# KiCad board OLD_PCB.kicad_pcb (continued)
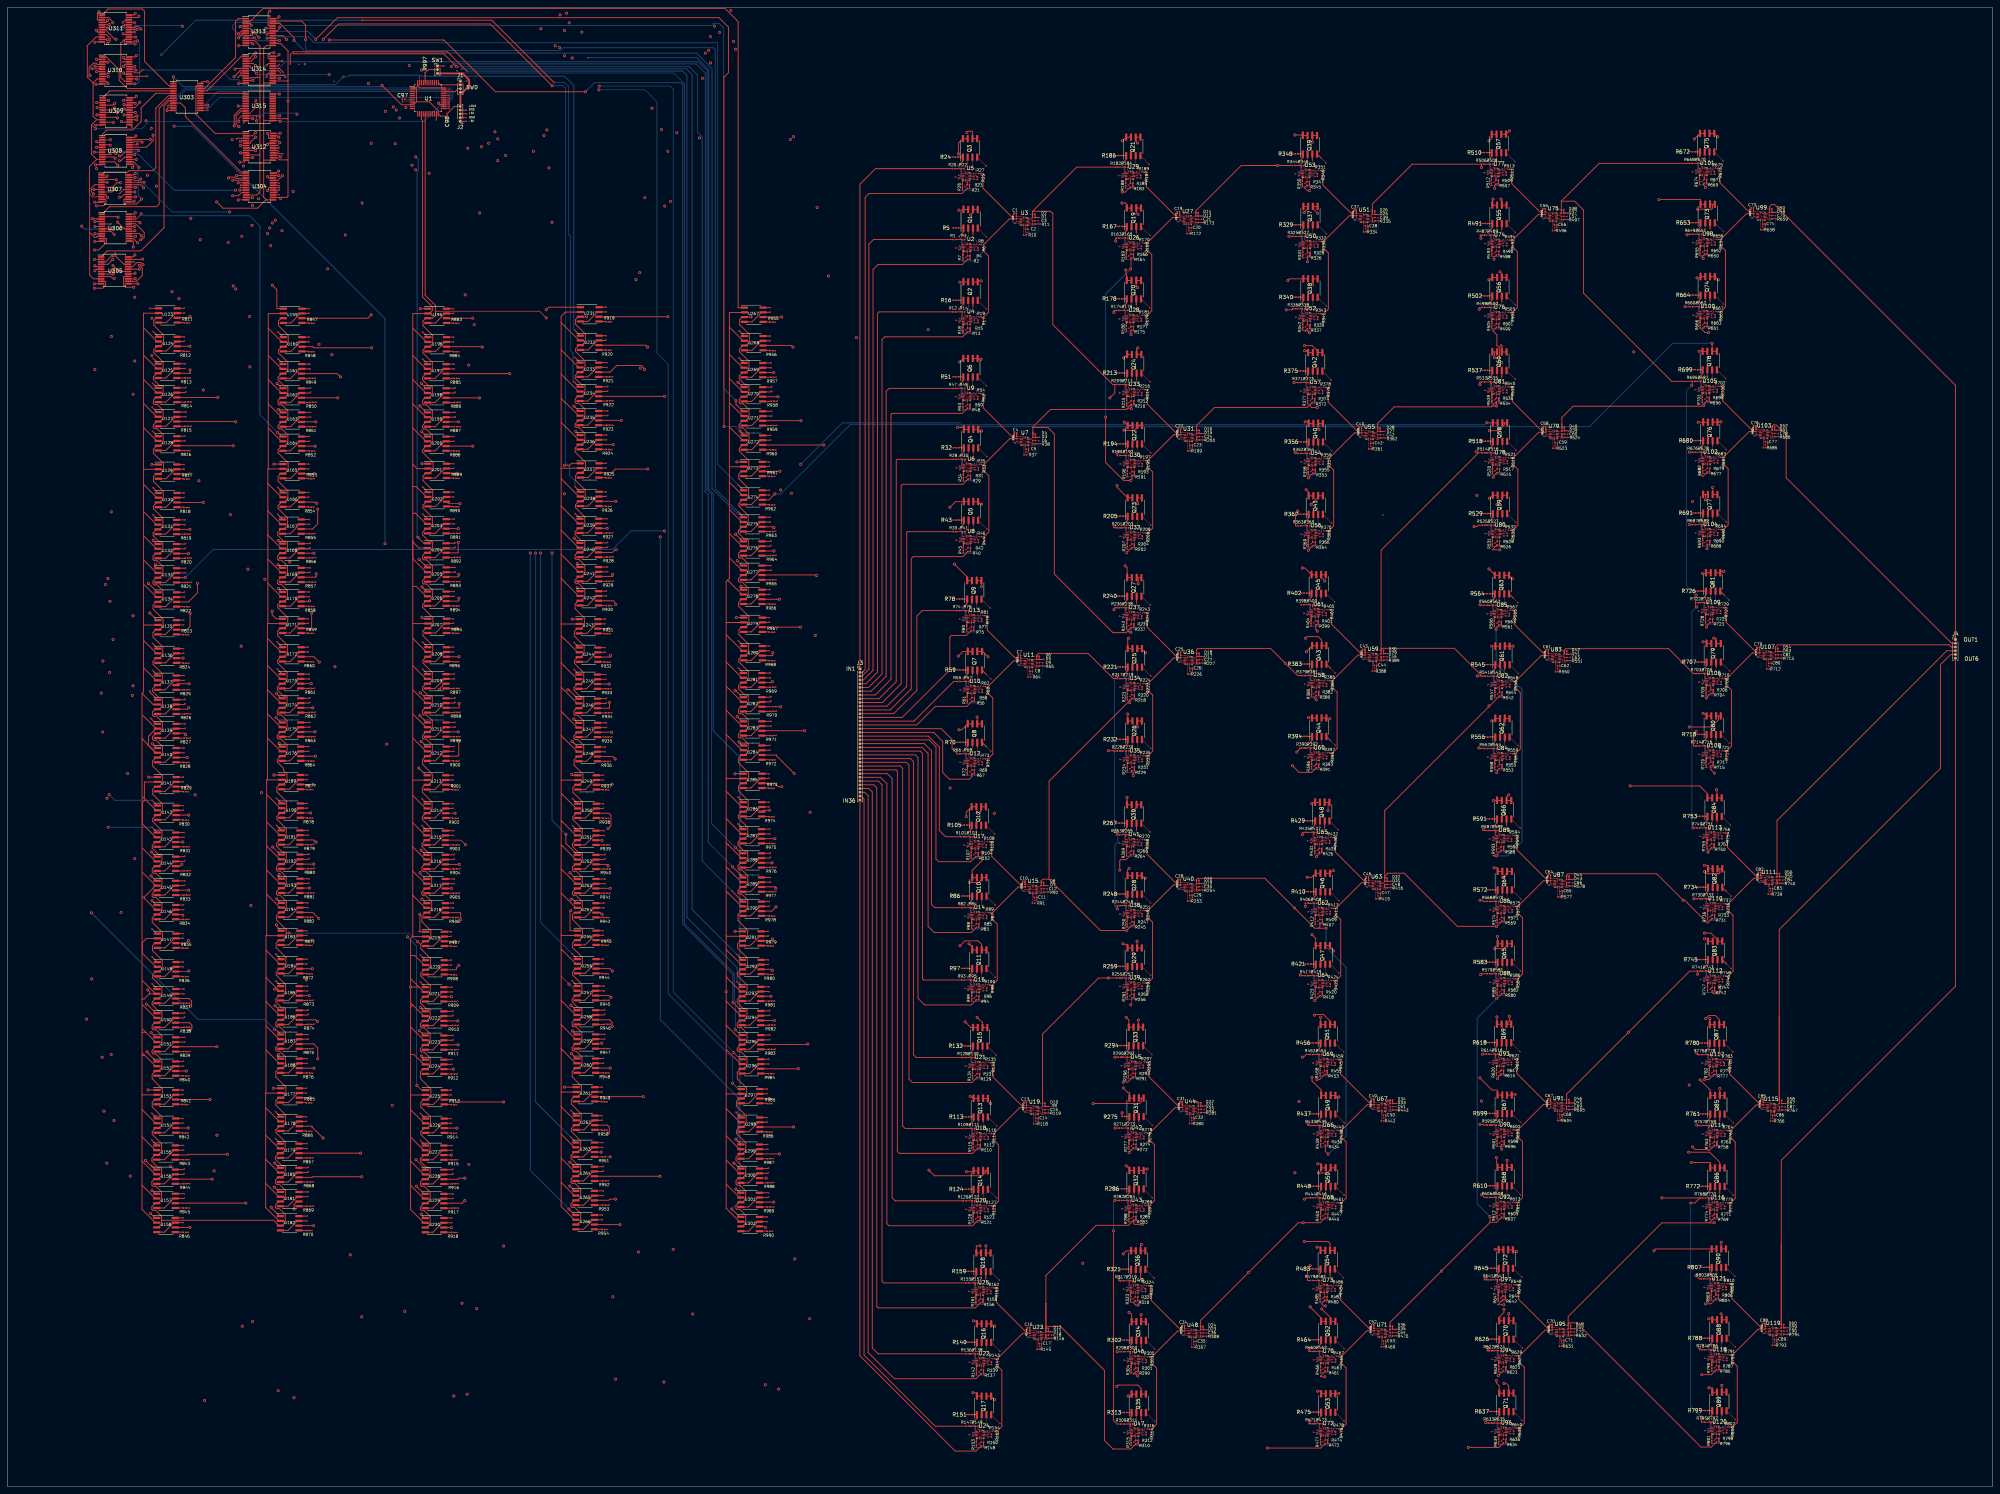
[diagram p0: board, top side]
## Routing (per net, layer and track width the routed paths; a pad name or vN(x,y) marks a point on that pad's centre or on a via; arc(x,y) is an arc through that point) (continued)
/VariableWeights/CS166: length 284.9
  Top w0.25: 25.2,337.18 27.57,337.18 v1(27.6,337.2) ; U158.1 39.35,71.75 v2(38.2,72.9)
  In3.Cu w0.25: v2(38.2,72.9) 21.6,89.5 21.6,121.2 19.4,123.4 19.4,336.2 v2(19.8,336.6)
  Bottom w0.25: v2(19.8,336.6) 20.6,335.8 26.2,335.8 v1(27.6,337.2)
/VariableWeights/CS211: length 64.6
  Top w0.25: U159.1 71.92,314.56 71.92,319.64 v2(70.74,320.82) ; U306.6 v2(23.32,336.53)
  In2.Cu w0.25: v2(70.74,320.82) 67.27,324.29 35.05,324.29 23.32,336.02 v2(23.32,336.53)
/VariableWeights/CS212: length 79.6
  Top w0.25: 25.2,335.88 v2(28.07,335.88) ; v1(72.23,308.36) 73.62,306.96 U160.1
  In1.Cu w0.25: v2(28.07,335.88) 27.34,335.15 27.34,323.65 27.73,323.26 v2(27.73,307.14)
  In2.Cu w0.25: v1(72.23,308.36) 70.35,306.48 28.39,306.48 v2(27.73,307.14)
/VariableWeights/CS213: length 81.3
  Top w0.25: U306.8 27.65,335.23 v2(28.49,334.38) ; U161.1 73.55,299.83 v1(72.23,301.16)
  In1.Cu w0.25: v1(72.23,301.16) 69.43,303.95 v2(69.43,334.63)
  In2.Cu w0.25: v2(69.43,334.63) 69.33,334.72 35.48,334.72 35.42,334.66 28.77,334.66 v2(28.49,334.38)
/VariableWeights/CS214: length 91.2
  Top w0.25: U162.1 73.27,293.31 v2(72.03,294.56) ; U306.9 v2(23.32,334.58)
  In1.Cu w0.25: v2(23.32,298.3) 22.47,299.15 22.47,333.73 v2(23.32,334.58)
  In2.Cu w0.25: v2(23.32,298.3) 24.18,297.44 69.14,297.44 v2(72.03,294.56)
/VariableWeights/CS215: length 92.5
  Top w0.25: v2(33.96,339.03) 33.86,339.12 U306.23 ; v2(72.31,287.66) 72.51,287.46 72.62,287.46 73.22,286.86 U163.1
  In2.Cu w0.25: v2(71.53,338.18) 63.79,338.18 63.56,337.95 39.15,337.95 38.07,339.02 v2(33.96,339.02)
  In3.Cu w0.25: v2(71.53,338.18) 71.53,309.96 72.78,308.71 72.78,288.13 v2(72.31,287.66)
/VariableWeights/CS216: length 96.1
  Top w0.2: v2(35.7,339.9) 35.7,339.78 34.22,338.3 33.69,338.3 33.52,338.48 U306.22
  Top w0.25: v2(72.1,281.5) 73.19,280.41 U164.1
  Bottom w0.25: v2(72.1,281.5) 67.4,286.2 67.4,336.6 64.6,339.4 36.2,339.4 v2(35.7,339.9)
/VariableWeights/CS221: length 106.5
  Top w0.25: U306.21 35.06,337.83 v2(35.39,337.5) ; U165.1 v2(71.13,273.06)
  In2.Cu w0.25: v2(35.39,337.5) 63.75,337.5 63.8,337.55 70.63,337.55 v2(70.73,337.45)
  In3.Cu w0.25: v2(70.73,337.45) 70.73,334.15 69.54,332.95 69.54,274.65 v2(71.13,273.06)
/VariableWeights/CS222: length 110.6
  Top w0.25: v2(35.54,332.98) 35.85,332.98 36.5,333.63 36.5,334.92 34.18,337.25 32.48,337.25 32.4,337.18 ; v1(72.12,266.86) 73.52,265.46 U166.1
  In2.Cu w0.25: v2(35.54,332.98) 37.13,331.38 v2(70.28,331.38)
  In3.Cu w0.25: v2(70.28,331.38) 69.99,331.1 69.99,275.92 72.12,273.79 v1(72.12,266.86)
/VariableWeights/CS223: length 118
  Top w0.25: v1(72.12,259.66) 73.45,258.33 U167.1 ; v2(33.88,336.52) 33.88,336.53 U306.19
  In2.Cu w0.25: v2(33.88,336.52) 34.01,336.52 34.46,336.07 69.95,336.07 v2(69.99,336.12)
  In3.Cu w0.25: v1(72.12,259.66) 69.09,262.69 69.09,333.26 70.16,334.33 70.16,335.95 v2(69.99,336.12)
/VariableWeights/CS224: length 128.6
  Top w0.25: U168.1 73.17,251.81 72.55,252.43 72.51,252.43 v2(72.27,252.68) ; v2(29.4,337.67) 31.2,335.88 32.4,335.88
  In2.Cu w0.25: v2(65.26,336.8) 65.22,336.76 35.1,336.76 34.19,337.67 v2(29.4,337.67)
  In3.Cu w0.25: v2(65.26,336.8) 65.43,336.63 65.43,259.51 v2(72.27,252.68)
/VariableWeights/CS225: length 132.3
  Top w0.25: v2(72.19,246.16) 72.34,246.01 72.47,246.01 73.12,245.36 U169.1 ; v2(34.01,335.42) 33.82,335.23 U306.17
  In2.Cu w0.25: v2(73.29,335.39) 34.04,335.39 v2(34.01,335.42)
  In3.Cu w0.25: v2(72.19,246.16) 73.29,247.26 v2(73.29,335.39)
/VariableWeights/CS226: length 130.1
  Top w0.25: U170.1 73.25,238.91 72.36,239.8 v2(72.39,239.82) ; U306.16 33.6,334.58 33.69,334.66 35.11,334.66 v2(35.78,334)
  In2.Cu w0.25: v2(35.78,334) 35.89,333.89 v2(62.55,333.89)
  In3.Cu w0.25: v2(72.39,239.82) 62.84,249.37 62.84,333.59 v2(62.55,333.89)
/VariableWeights/CS231: length 165.7
  Top w0.25: U171.1 71.7,231.76 70.66,232.79 v2(70.66,233.75) ; v2(26.61,350.01) 26.3,349.7 26.3,349.62 U307.2
  In1.Cu w0.25: v2(26.61,350.01) 27.36,349.25 27.36,347.67 27.29,347.6 27.29,345.61 27.44,345.46 27.44,340.05 26.44,339.05 26.44,323.27 26.72,322.99 26.72,307.8 26.55,307.63 26.55,306.65 26.88,306.32 26.88,261.12 26.55,260.78 26.55,259.81 27.55,258.81 27.55,236.62 v2(27.35,236.43)
  In2.Cu w0.25: v2(70.66,233.75) 67.99,236.43 v2(27.35,236.43)
/VariableWeights/CS232: length 175.2
  Top w0.25: v2(29.04,348.97) 28.94,349.07 25.2,349.07 U307.3 ; U172.1 73.42,224.16 v1(72.02,225.55)
  In2.Cu w0.25: v2(28.18,226.19) 71.38,226.19 v1(72.02,225.55)
  In3.Cu w0.25: v2(28.18,226.19) 28.45,226.46 28.45,307.9 27.34,309.01 27.34,332.15 29.25,334.06 29.25,336.62 28.66,337.21 28.66,344.92 29.66,345.93 29.66,347.65 29.04,348.27 v2(29.04,348.97)
/VariableWeights/CS233: length 181
  Top w0.25: 73.34,216.96 73.34,217.03 v1(72.02,218.35) ; U307.4 v2(26.59,348.33)
  In1.Cu w0.25: v2(26.59,348.33) 25.99,347.72 25.99,323.09 26.27,322.81 26.27,307.99 26.1,307.82 26.1,306.47 26.43,306.13 26.43,261.3 26.09,260.97 26.09,242.03 26.93,241.19 26.93,240.59 26.61,240.27 26.61,218.05 v2(27.25,217.41)
  In2.Cu w0.25: v1(72.02,218.35) 71.08,217.41 v2(27.25,217.41)
/VariableWeights/CS234: length 188.9
  Top w0.25: U307.5 23.33,347.68 22.38,346.73 22.38,345.79 v2(22.96,345.2) ; v2(71.82,211.75) 73.07,210.51 73.34,210.51
  In1.Cu w0.25: v2(22.96,345.2) 21.95,344.19 21.95,214.97 v2(25.05,211.88)
  In2.Cu w0.25: v2(71.82,211.75) 71.57,212 25.17,212 v2(25.05,211.88)
/VariableWeights/CS235: length 186.9
  Top w0.25: v2(30.14,348.2) 29.21,348.2 28.04,347.03 25.1,347.03 ; 73.34,204.06 73.02,204.06 v2(71.72,205.35)
  In1.Cu w0.25: v2(33.33,211.28) 30.6,214.01 30.6,347.74 v2(30.14,348.2)
  In2.Cu w0.25: v2(33.33,211.28) 33.33,211 66.07,211 v2(71.72,205.35)
/VariableWeights/CS236: length 199
  Top w0.25: 73.34,197.61 73.14,197.61 72.37,198.38 v2(72.53,198.53) ; U307.7 v2(23.1,346.38)
  In1.Cu w0.25: v2(25.41,201.49) 21.5,205.4 21.5,344.77 v2(23.1,346.38)
  In2.Cu w0.25: v2(25.41,201.49) 69.57,201.49 v2(72.53,198.53)
/VariableWeights/CS241: length 202.7
  Top w0.25: U307.8 27.79,345.73 v2(28.48,346.41) ; U189.1 v2(71.16,190.03)
  In1.Cu w0.25: v2(28.48,346.41) 28.34,346.27 28.34,338.77 28.17,338.6 28.17,336.87 29.25,335.79 29.25,193.25 v2(32.06,190.44)
  In2.Cu w0.25: v2(32.06,190.44) 70.74,190.44 v2(71.16,190.03)
/VariableWeights/CS242: length 211.1
  Top w0.25: v1(71.8,183.82) 73.2,182.43 U190.1 ; U307.9 26.3,345.08 26.3,344.67 v2(26.71,344.26)
  In2.Cu w0.25: v1(71.8,183.82) v2(26.58,183.82)
  In3.Cu w0.25: v2(26.71,344.26) 26.44,343.98 26.44,260.33 27.55,259.22 27.55,240.57 26.59,239.62 26.59,221.27 26.68,221.19 26.68,219.71 26.49,219.52 26.49,203.89 26.58,203.79 26.58,185.24 26.44,185.09 26.44,183.97 v2(26.58,183.82)
/VariableWeights/CS243: length 208.5
  Top w0.25: v2(34.08,349.62) U307.23 ; v1(71.8,176.62) 73.12,175.3 73.12,175.23
  In1.Cu w0.25: v1(71.8,176.62) 66.89,181.53 66.89,343.76 v2(67.06,343.92)
  In2.Cu w0.25: v2(67.06,343.92) 65.53,345.45 38.75,345.45 36.63,347.57 36.14,347.57 v2(34.08,349.62)
/VariableWeights/CS244: length 209.9
  Top w0.2: v2(70.8,170.8) 72.83,168.78 73.12,168.78 ; v2(35.6,349.2) 35.2,348.8 33.9,348.8 33.73,348.98 U307.22
  In3.Cu w0.2: v2(70.8,170.8) 63.09,178.51 63.09,243.89 v2(64.2,245)
  In4.Cu w0.2: v2(64.2,245) 63.95,245.25 63.95,335.75 v2(59.3,340.4)
  Bottom w0.2: v2(35.6,349.2) 35.6,348.21 36.19,347.62 36.77,347.62 43.99,340.4 v2(59.3,340.4)
/VariableWeights/CS245: length 206.4
  Top w0.25: v2(72.52,163.45) 72.1,163.02 72.8,162.33 73.12,162.33 ; U307.21 v2(36.48,348.33)
  In3.Cu w0.25: v2(72.52,163.45) 61.65,174.32 61.65,240.4 36.89,265.16 36.89,324.49 37.49,325.09 37.49,347.32 v2(36.48,348.33)
/VariableWeights/CS246: length 211.2
  Top w0.25: v2(36.33,346.84) 35.49,347.68 U307.20 ; v2(71.86,156.93) 72.92,155.88 73.12,155.88
  In3.Cu w0.25: v2(36.33,346.84) 37.03,346.14 37.03,325.5 36.44,324.91 36.44,252.36 59.9,228.9 59.9,168.89 v2(71.86,156.93)
/VariableWeights/CS251: length 281.9
  Top w0.25: v2(71.8,150) 71.8,149.68 U183.1 ; v2(34.15,346.95) 34.08,347.03 32.3,347.03
  In2.Cu w0.25: v2(71.8,150) 74.6,147.2 74.6,142.9 71.2,139.5 31.16,139.5 20.7,149.96 20.7,346 21.84,347.14 33.96,347.14 v2(34.15,346.95)
/VariableWeights/CS252: length 261.4
  Top w0.25: U184.1 73.02,140.83 v1(71.63,142.22) ; U307.18 30.98,346.38 v1(29.9,345.3)
  In2.Cu w0.25: v1(29.9,345.3) 24.09,345.3 21.67,342.89 21.67,149.62 30.37,140.94 70.34,140.94 v1(71.63,142.22)
/VariableWeights/CS253: length 231.9
  Top w0.25: U185.1 72.95,133.7 v1(71.63,135.02) ; U307.17 v2(33.97,345.73)
  In3.Cu w0.25: v2(33.97,345.73) 34.98,344.72 34.98,338.11 34.66,337.8 34.66,337.2 34.98,336.88 34.98,333.45 32.86,331.33 32.86,325.07 33.31,324.62 33.31,321.69 35.15,319.85 35.15,245.45 50.83,229.77 50.83,155.82 v1(71.63,135.02)
/VariableWeights/CS254: length 257.4
  Top w0.25: v2(29.87,344.3) 30.33,344.3 31.1,345.08 U307.16 ; U186.1 72.67,127.18 v2(71.43,128.42)
  In1.Cu w0.25: v2(71.43,128.42) 65.99,133.86 65.99,341.51 v2(65.38,342.13)
  In2.Cu w0.25: v2(29.87,344.3) 32.05,342.13 v2(65.38,342.13)
/VariableWeights/CS255: length 279.6
  Top w0.2: U308.2 27.41,359.62 v2(27.49,359.7)
  Top w0.25: v2(71.3,122.1) 71.58,122.1 U187.1
  In4.Cu w0.25: v2(22.4,153.2) 22.4,335.8 19.9,338.3 19.9,356.4 23.41,359.91 27.28,359.91 v2(27.49,359.7)
  Bottom w0.25: v2(71.3,122.1) 68.7,124.7 50.9,124.7 v2(22.4,153.2)
/VariableWeights/CS256: length 293.9
  Top w0.25: v2(23.82,359.18) 24.02,358.98 U308.3 ; v2(72.33,115.38) 71.99,115.04 72.75,114.28 72.95,114.28
  In1.Cu w0.25: v2(27.7,115.38) 27.89,115.57 27.89,214.58 24.74,217.73 24.74,261.53 25.07,261.86 25.07,305.57 24.74,305.91 24.74,308.38 24.91,308.55 24.91,322.25 24.63,322.53 24.63,358.37 v2(23.82,359.18)
  In2.Cu w0.25: v2(72.33,115.38) v2(27.7,115.38)
/VariableWeights/CS261: length 291.9
  Top w0.25: U308.4 27.28,358.33 v2(27.43,358.18) ; v2(70.98,106.37) 72.97,106.37
  In1.Cu w0.25: v2(63,352.69) 63,336.12 63.27,335.85 63.27,313.42 63.02,313.16 63.02,295.02 63.47,294.56 63.47,113.88 v2(70.98,106.37)
  In2.Cu w0.25: v2(63,352.69) 40.46,352.69 35.29,357.85 27.76,357.85 v2(27.43,358.18)
/VariableWeights/CS262: length 308.1
  Top w0.25: v1(71.54,100.16) 72.94,98.77 72.97,98.77 ; U308.5 v2(23.79,357.68)
  In2.Cu w0.25: v1(71.54,100.16) 71.45,100.25 v2(25.75,100.25)
  In3.Cu w0.25: v2(25.75,100.25) 24.12,101.89 24.12,210.89 23.83,211.17 23.83,295.57 24.5,296.24 24.5,356.97 v2(23.79,357.68)
/VariableWeights/CS263: length 300.4
  Top w0.25: v2(28.93,356) 27.91,357.03 25.3,357.03 ; U179.1 72.87,91.64 v1(71.54,92.96)
  In1.Cu w0.25: v1(71.54,92.96) 62.8,101.7 62.8,222.2 61.3,223.7 61.65,224.05 61.65,342.52 60.86,343.32 60.86,346.16 v2(60.9,346.2)
  Bottom w0.25: v2(60.9,346.2) 44.54,346.2 34.29,356.45 29.38,356.45 v2(28.93,356)
/VariableWeights/CS264: length 322.2
  Top w0.25: v2(71.34,86.36) 72.59,85.12 U180.1 ; U308.7 v2(23.17,356.38)
  In1.Cu w0.25: v2(26.5,86.35) 26.5,172.8 21.05,178.25 21.05,354.25 v2(23.17,356.38)
  In2.Cu w0.25: v2(26.5,86.35) 71.33,86.35 v2(71.34,86.36)
/VariableWeights/CS265: length 319.9
  Top w0.25: v2(71.24,79.96) 72.54,78.67 U181.1 ; U308.8 27.19,355.73 v2(27.45,355.98)
  In1.Cu w0.25: v2(32.81,82.9) 32.81,210.14 29.7,213.25 29.7,336.17 28.63,337.24 28.63,338.41 28.8,338.58 28.8,344.6 29.25,345.06 29.25,347.74 28.27,348.72 28.27,354.18 27.45,355 v2(27.45,355.98)
  In2.Cu w0.25: v2(71.24,79.96) 68.3,82.9 v2(32.81,82.9)
/VariableWeights/CS266: length 304.5
  Top w0.25: 72.87,72.22 72.66,72.22 71.87,73.01 70.4,74.47 v2(70.4,74.59) ; U308.9 28.4,355.08 v2(28.76,354.72)
  In3.Cu w0.25: v2(70.4,74.59) 49.84,95.15 49.84,183.97 49.38,184.44 49.38,196.89 31.62,214.65 31.62,315.17 31.51,315.28 31.51,323.87 31.05,324.32 31.05,350.24 28.74,352.56 28.74,354.7 v2(28.76,354.72)
/VariableWeights/CS311: length 118.9
  Top w0.25: v2(38.13,359.76) 33.83,359.76 33.7,359.62 U308.23 ; v2(110.21,314.56) U195.1
  In2.Cu w0.25: v2(45.77,317.24) 107.52,317.24 v2(110.21,314.56)
  In3.Cu w0.25: v2(38.13,359.76) 45.77,352.12 v2(45.77,317.24)
/VariableWeights/CS312: length 127.5
  Top w0.25: v1(110.81,308.35) 112.21,306.96 U196.1 ; v2(35.94,359.02) 35.65,359.31 34.03,359.31 33.7,358.98 U308.22
  In2.Cu w0.25: v1(110.81,308.35) 107.43,311.73 38.88,311.73 v2(38.6,312.01)
  In3.Cu w0.25: v2(38.6,312.01) 38.6,356.36 v2(35.94,359.02)
/VariableWeights/CS313: length 135.6
  Top w0.25: U308.21 34.43,358.33 v2(34.68,358.58) ; v1(110.81,301.15) 112.14,299.83 U197.1
  In2.Cu w0.25: v2(38.55,302.05) 72.91,302.05 73.81,301.15 v1(110.81,301.15)
  In3.Cu w0.25: v2(38.55,302.05) 37.37,303.23 37.37,323.7 38.09,324.41 38.09,355.18 v2(34.68,358.58)
/VariableWeights/CS314: length 144.4
  Top w0.25: U308.20 37.08,357.68 38.88,359.47 v2(38.88,360.9) ; U198.1 111.8,293.31 v2(110.5,294.6)
  In4.Cu w0.25: v2(38.88,360.9) 40.28,362.3 72.92,362.3 79.83,355.4 106.8,355.4 107,355.2 107,298.1 v2(110.5,294.6)
/VariableWeights/CS315: length 147.8
  Top w0.25: v2(35,356.8) 34.77,357.03 32.5,357.03 ; v2(110.1,288.6) 111.84,286.86 U199.1
  In4.Cu w0.25: v2(35,356.8) 36.3,356.8 40.1,360.6 61.89,360.6 62.84,359.64 74.95,359.64 80.69,353.9 106.1,353.9 106.1,292.6 v2(110.1,288.6)
/VariableWeights/CS316: length 157.2
  Top w0.25: v2(110.61,281.73) 111.93,280.41 U200.1 ; v2(29.86,355.37) 30.3,355.37 31.3,356.38 U308.18
  In1.Cu w0.25: v2(110.61,281.73) 108.96,283.37 v2(108.96,351.65)
  In2.Cu w0.25: v2(29.86,355.37) 31.74,353.49 36.63,353.49 38.62,351.5 70.38,351.5 71.37,352.49 73.33,352.49 74.17,351.65 v2(108.96,351.65)
/VariableWeights/CS321: length 159.9
  Top w0.25: v2(110.67,273.19) 110.7,273.16 U201.1 ; v2(33.99,355.73) U308.17
  In1.Cu w0.25: v2(108.01,352.86) 108.01,275.85 v2(110.67,273.19)
  In2.Cu w0.25: v2(108.01,352.86) 107.93,352.94 64.74,352.94 63.75,351.96 40.22,351.96 36.45,355.73 v2(33.99,355.73)
/VariableWeights/CS322: length 174.5
  Top w0.25: U308.16 31.3,355.08 30.29,354.07 v2(29.83,354.07) ; v1(110.83,266.96) 112.22,265.56 U202.1
  In2.Cu w0.25: v2(29.83,354.07) 30.85,353.04 36.4,353.04 38.39,351.05 70.57,351.05 71.55,352.04 72.84,352.04 74.18,350.7 v2(112.58,350.7)
  In3.Cu w0.25: v1(110.83,266.96) 112.58,268.71 v2(112.58,350.7)
/VariableWeights/CS323: length 199.8
  Top w0.25: v2(27.01,370.16) 26.67,370.16 26.6,370.23 U309.2 ; v1(110.83,259.75) 112.15,258.43 U203.1
  In2.Cu w0.25: v2(27.73,260.3) 110.28,260.3 v1(110.83,259.75)
  In3.Cu w0.25: v2(27.73,260.3) 26.89,261.13 26.89,333.84 28.2,335.15 28.37,335.15 28.8,335.57 28.8,336.19 28.15,336.84 28.15,345.05 29.21,346.12 29.21,347.46 28.03,348.64 28.03,355.02 28.21,355.2 28.21,362.68 27.01,363.87 v2(27.01,370.16)
/VariableWeights/CS324: length 200.1
  Top w0.25: U204.1 111.19,251.91 v2(109.6,253.5) ; v2(23.8,369.6) 23.82,369.58 U309.3
  In4.Cu w0.25: v2(109,355.1) 94.78,369.32 62,369.32 59.3,372.03 26.23,372.03 v2(23.8,369.6)
  Bottom w0.25: v2(109.6,253.5) 109.38,253.73 109.38,351.04 109.69,351.35 109.69,354.41 v2(109,355.1)
/VariableWeights/CS325: length 197.8
  Top w0.25: U309.4 28.16,368.93 v2(28.63,369.4) ; v2(109.9,247.6) 112.04,245.46 U205.1
  In4.Cu w0.25: v2(109.9,247.6) 103.8,253.7 103.8,351.1 102.6,352.3 69.71,352.3 64.61,357.4 61.88,357.4 60,359.28 v2(60,359.7)
  In5.Cu w0.25: v2(60,359.7) 49.37,359.7 37.05,372.03 31.26,372.03 v2(28.63,369.4)
/VariableWeights/CS326: length 217.4
  Top w0.25: U206.1 111.95,239.01 v2(110.7,240.26) ; U309.5 v2(23.92,368.28)
  In1.Cu w0.25: v2(23.92,368.28) 25.53,366.66 25.53,322.9 25.81,322.62 25.81,308.18 25.64,308.01 25.64,306.28 25.98,305.95 25.98,261.49 25.64,261.15 25.64,241.45 v2(26.2,240.89)
  In2.Cu w0.25: v2(110.7,240.26) 110.36,240.6 70.78,240.6 70.22,240.04 27.05,240.04 v2(26.2,240.89)
/VariableWeights/CS331: length 220.1
  Top w0.25: v2(28.53,368.16) 28,367.62 25.4,367.62 ; U207.1 111.02,231.76 v2(110.62,232.15)
  In1.Cu w0.25: v2(28.53,368.16) 28.53,365.05 31.05,362.53 31.05,235.02 v2(33.53,232.55)
  In2.Cu w0.25: v2(110.62,232.15) 110.22,232.55 v2(33.53,232.55)
/VariableWeights/CS332: length 218.9
  Top w0.25: U208.1 112.2,224.16 v1(110.8,225.55) ; v2(29.3,366.9) 29.23,366.98 U309.7
  In5.Cu w0.25: v2(29.3,366.9) 29.45,367.05 31.35,367.05 32,367.7 38.6,367.7 51.93,354.38 61.65,354.38 62.9,355.62 65.8,355.62 67.05,354.38 102.78,354.38 103,354.6 103,233.35 v1(110.8,225.55)
/VariableWeights/CS333: length 237.2
  Top w0.25: U309.8 v2(23.9,366.33) ; v1(110.8,218.35) 112.12,217.03 112.12,216.96
  In1.Cu w0.25: v2(23.9,366.33) 25.08,365.14 25.08,322.71 25.36,322.43 25.36,308.36 25.19,308.19 25.19,306.09 25.52,305.76 25.52,261.68 25.19,261.34 25.19,220.74 v2(25.47,220.45)
  In2.Cu w0.25: v1(110.8,218.35) 110.68,218.23 84.13,218.23 82.51,219.86 82.51,220.2 81.94,220.78 47.53,220.78 47.21,220.45 v2(25.47,220.45)
/VariableWeights/CS334: length 227.9
  Top w0.25: U309.9 29.19,365.68 v2(29.36,365.5) ; v2(110.2,212) 111.7,210.51 112.12,210.51
  In5.Cu w0.25: v2(29.36,365.5) 30.49,365.5 31.97,364.02 39.02,364.02 39.3,364.3 52.2,351.4 63.8,351.4 64.43,352.03 99.98,352.03 101.7,350.3 101.7,233.2 101.5,233 110.2,224.3 v2(110.2,212)
/VariableWeights/CS335: length 208.4
  Top w0.25: 112.12,204.06 111.95,204.06 v2(110.1,205.9) ; v2(31,370.2) 31.02,370.23 U309.23
  In4.Cu w0.25: v2(44.5,363.3) 37.36,370.44 31.24,370.44 v2(31,370.2)
  In5.Cu w0.25: v2(110.1,205.9) 100.8,215.2 v2(100.8,251.8)
  Bottom w0.25: v2(44.5,363.3) 49.4,363.3 100.8,311.9 v2(100.8,251.8)
/VariableWeights/CS336: length 248.6
  Top w0.25: v2(110.42,198.98) 110.54,198.98 110.6,198.93 111.92,197.61 112.12,197.61 ; U309.22 33.8,369.58 33.98,369.4 v2(34.08,369.4)
  In1.Cu w0.25: v2(110.42,198.98) 106.35,203.05 v2(106.35,368.27)
  In2.Cu w0.25: v2(106.35,368.27) 104.23,368.27 103.34,369.17 66.03,369.17 64.65,370.55 35.12,370.55 34.08,369.51 v2(34.08,369.4)
/VariableWeights/CS341: length 243.9
  Top w0.25: U309.21 31.27,368.93 v2(31.1,369.1) ; v2(109.8,191.88) 111.73,189.96 U213.1
  In4.Cu w0.25: v2(38.4,362.7) 38.4,364.34 34.24,368.5 31.7,368.5 v2(31.1,369.1)
  In5.Cu w0.25: v2(109.8,191.88) 109.8,194.6 100,204.4 100,348.8 99.8,349 67.5,349 65.6,350.9 50.2,350.9 v2(38.4,362.7)
/VariableWeights/CS342: length 262.4
  Top w0.25: v2(35.31,369.71) 35.31,369.56 34.02,368.28 U309.20 ; U214.1 112.03,182.36 v1(110.63,183.75)
  In2.Cu w0.25: v2(35.31,369.71) 35.69,370.1 63.86,370.1 65.51,368.45 v2(103.03,368.45)
  In3.Cu w0.25: v2(103.03,368.45) 104.08,368.45 106.63,365.9 106.63,187.75 v1(110.63,183.75)
/VariableWeights/CS343: length 271.7
  Top w0.25: v2(31.12,367.93) 31.4,367.65 31.4,367.62 32.6,367.62 ; U215.1 111.96,175.23 v1(110.63,176.55)
  In2.Cu w0.25: v2(31.12,367.93) 34.55,367.93 36.27,369.64 63.68,369.64 65.33,367.99 102.46,367.99 102.82,367.63 v2(103.82,367.63)
  In3.Cu w0.25: v1(110.63,176.55) 105.7,181.48 105.7,365.75 v2(103.82,367.63)
/VariableWeights/CS344: length 272
  Top w0.25: U309.18 v2(34.12,366.98) ; U216.1 111.68,168.71 v2(110.43,169.95)
  In2.Cu w0.25: v2(100.89,367.27) 100.84,367.32 65.36,367.32 64.77,366.73 35.65,366.73 35.4,366.98 v2(34.12,366.98)
  In3.Cu w0.25: v2(100.89,367.27) 104.46,363.7 104.46,175.92 v2(110.43,169.95)
/VariableWeights/CS345: length 281.9
  Top w0.25: v2(31.12,366.33) U309.17 ; U217.1 111.62,162.26 110.12,163.76 v2(110.12,163.95)
  In1.Cu w0.25: v2(33.98,167.69) 34.26,167.96 34.26,241.09 31.51,243.84 31.51,365.94 v2(31.12,366.33)
  In2.Cu w0.25: v2(33.98,167.69) 48.14,167.69 51.65,164.18 109.89,164.18 v2(110.12,163.95)
/VariableWeights/CS346: length 286
  Top w0.25: U218.1 111.75,155.81 110.66,156.9 v2(110.61,156.85) ; v2(34.6,366.01) 34.16,366.01 33.82,365.68 U309.16
  In1.Cu w0.25: v2(104.66,365.48) 104.66,162.8 v2(110.61,156.85)
  In2.Cu w0.25: v2(34.6,366.01) 65.05,366.01 65.88,366.83 73.03,366.83 74.38,365.48 v2(104.66,365.48)
/VariableWeights/CS351: length 319.7
  Top w0.25: 25.3,381.12 23.83,381.12 v2(23.8,381.15) ; v2(110.11,152.84) 110.11,148.44 109.83,148.16 111.66,148.16
  In2.Cu w0.25: v2(30.32,153.33) 109.63,153.33 v2(110.11,152.84)
  In3.Cu w0.25: v2(23.8,381.15) 25.4,379.55 25.4,242.72 26.93,241.19 26.93,240.59 26.14,239.8 26.14,221.09 26.22,221.01 26.22,219.9 26.03,219.71 26.03,203.7 26.13,203.6 26.13,185.42 25.86,185.15 25.86,157.8 v2(30.32,153.33)
/VariableWeights/CS352: length 332.2
  Top w0.25: U220.1 111.62,140.56 v1(110.23,141.95) ; v2(26.78,380.38) 26.68,380.48 U310.3
  In4.Cu w0.25: v2(26.78,380.38) 26.78,379.83 18.2,371.25 18.2,151 37.24,151 39.54,148.7 78.9,148.7 79.71,147.9 104.29,147.9 v1(110.23,141.95)
/VariableWeights/CS353: length 338.4
  Top w0.25: v1(110.23,134.75) 111.56,133.43 U221.1 ; U310.4 23.92,379.83 23.6,380.15 23,380.15 21.79,378.94 21.79,377.06 v2(22.05,376.8)
  In2.Cu w0.25: v2(22.49,135.56) 78.49,135.56 79.48,134.57 110.05,134.57 v1(110.23,134.75)
  In3.Cu w0.25: v2(22.05,376.8) 21.57,376.33 21.57,136.48 v2(22.49,135.56)
/VariableWeights/CS354: length 331.2
  Top w0.25: v2(110.26,127.92) 111.28,126.91 U222.1 ; v2(23.36,379.36) 23.54,379.18 U310.5
  In2.Cu w0.25: v2(23.36,379.36) 24.34,378.38 32.88,378.38 33.73,377.53 61.07,377.53 63.88,374.73 v2(96.38,374.73)
  In3.Cu w0.25: v2(96.38,374.73) 96.38,141.8 v2(110.26,127.92)
/VariableWeights/CS355: length 349.5
  Top w0.25: U310.6 25.2,378.62 v2(22.57,378.62) ; v2(109.93,121.75) 111.23,120.46 111.56,120.46
  In2.Cu w0.25: v2(109.93,121.75) 106.78,124.9 82.47,124.9 82.39,124.82 v2(21.12,124.82)
  In3.Cu w0.25: v2(21.12,124.82) 21.12,377.17 v2(22.57,378.62)
/VariableWeights/CS356: length 352.8
  Top w0.25: U224.1 111.35,114 110.55,114.81 v2(110.55,114.96) ; U310.7 v2(23.8,377.88)
  In2.Cu w0.25: v2(110.55,114.96) 72.99,114.96 72.68,114.65 v2(25.26,114.65)
  In3.Cu w0.25: v2(25.26,114.65) 24.57,115.34 24.57,211.07 24.29,211.35 24.29,295.16 24.95,295.82 24.95,376.72 v2(23.8,377.88)
/VariableWeights/CS361: length 364.2
  Top w0.2: v2(109.3,107.1) 110.54,105.86 U225.1
  Top w0.25: U310.8 26.52,377.23 v2(26.9,377.6)
  In4.Cu w0.25: v2(26.9,377.6) 25.67,377.6 19.3,371.23 19.3,370.6 19.08,370.38 19.08,153.03 20.3,151.8 37.08,151.8 39.73,149.15 104.45,149.15 v2(106.8,146.8)
  Bottom w0.25: v2(109.3,107.1) 109.2,107.2 109.2,144.4 v2(106.8,146.8)
/VariableWeights/CS362: length 368.4
  Top w0.25: v1(110.23,99.66) 111.62,98.26 U226.1 ; U310.9 v2(26.91,376.58)
  In1.Cu w0.25: v2(28.44,97.74) 28.44,224.89 27.45,225.89 27.45,226.49 28.09,227.13 28.09,258.9 27,259.99 27,260.6 27.33,260.93 27.33,306.51 27,306.84 27,307.44 27.17,307.61 27.17,323.18 26.89,323.46 26.89,338.86 27.89,339.86 27.89,345.98 27.74,346.13 27.74,347.41 27.81,347.48 27.81,354 26.7,355.11 26.7,363.74 27.78,364.81 27.78,375.71 v2(26.91,376.58)
  In2.Cu w0.25: v2(28.44,97.74) 63.26,97.74 63.61,98.1 108.67,98.1 v1(110.23,99.66)
/VariableWeights/CS363: length 370.4
  Top w0.25: 32.5,381.12 31.3,381.12 31.3,381.34 v2(31.01,381.62) ; U227.1 111.55,91.13 v1(110.23,92.46)
  In1.Cu w0.25: v1(110.23,92.46) 111.37,93.6 111.37,214.35 107.28,218.44 v2(107.28,379.5)
  In2.Cu w0.25: v2(107.28,379.5) 106.97,379.18 72.29,379.18 71.29,380.19 32.45,380.19 v2(31.01,381.62)
/VariableWeights/CS364: length 382.8
  Top w0.2: v2(109.1,87.3) 111.55,84.85 U228.1
  Top w0.25: U310.22 30.92,380.48 v1(30.9,380.5)
  In4.Cu w0.25: v2(109.1,87.3) 106.4,84.6 57.2,84.6 17.2,124.6 17.2,375.6 23.48,381.88 29.52,381.88 v1(30.9,380.5)
/VariableWeights/CS365: length 371.9
  Top w0.25: v2(109.18,80.2) 111.22,78.16 U229.1 ; v2(30.99,379.24) 31.3,379.54 31.3,379.83 U310.21
  In1.Cu w0.25: v2(30.99,379.24) 31.96,378.27 31.96,244.03 34.71,241.27 34.71,98.62 43.52,89.81 v2(43.52,85.5)
  In2.Cu w0.25: v2(43.52,85.5) 71.18,85.5 71.94,84.73 104.65,84.73 v2(109.18,80.2)
/VariableWeights/CS366: length 388.2
  Top w0.25: U230.1 111.35,71.71 110.31,72.74 v2(110.46,72.74) ; v2(33.99,379.28) 33.88,379.18 U310.20
  In1.Cu w0.25: v2(110.46,72.74) 113.36,75.64 113.36,375.46 v2(110.55,378.28)
  In2.Cu w0.25: v2(33.99,379.28) 65.38,379.28 66.06,378.6 66.97,378.6 67.29,378.28 v2(110.55,378.28)
/VariableWeights/CS411: length 176.4
  Top w0.25: U231.1 144.53,314.96 v2(143.84,314.27) ; v2(34.3,378.26) 34.04,378.53 U310.19
  In2.Cu w0.25: v2(43.91,319.11) 118.24,319.11 123.08,314.27 v2(143.84,314.27)
  In3.Cu w0.25: v2(43.91,319.11) 43.91,352.57 36.23,360.25 36.23,376.33 v2(34.3,378.26)
/VariableWeights/CS412: length 190.6
  Top w0.25: U232.1 152.94,307.36 v1(151.55,308.75) ; v3(36,378.3) 35.24,377.54 34,377.54 33.66,377.88 U310.18
  Bottom w0.25: v1(151.55,308.75) 151.2,309.1 151.2,374.2 148.75,376.65 110.65,376.65 110.38,376.93 91.43,376.93 91.1,376.6 89.8,376.6 v3(89.7,376.5) 87.58,374.38 63.05,374.38 61.73,375.7 59.6,375.7 57,378.3 v3(36,378.3)
/VariableWeights/CS413: length 199.6
  Top w0.25: v1(151.55,301.55) 152.88,300.23 U233.1 ; U310.17 31.3,377.23 v2(31.02,377.5)
  In2.Cu w0.25: v2(33.97,300.6) 150.6,300.6 v1(151.55,301.55)
  In3.Cu w0.25: v2(33.97,300.6) 33.97,314.95 32.41,316.51 32.41,324.24 31.96,324.7 31.96,376.56 v2(31.02,377.5)
/VariableWeights/CS414: length 213.6
  Top w0.25: v3(94.7,391.6) 129.3,391.6 v3(145.9,375) ; U234.1 152.59,293.71 v3(151.3,295) ; v3(37.31,376.7) 37.24,376.62 32.55,376.62 U310.16
  In1.Cu w0.25: v3(41.1,382.4) 37.31,378.61 v3(37.31,376.7)
  Bottom w0.25: v3(41.1,382.4) 50.3,391.6 v3(94.7,391.6) ; v3(151.3,295) 151,295.3 151,302.7 150.3,303.4 150.3,333.9 149.8,334.4 149.8,373.9 148.7,375 v3(145.9,375)